# KiCad board nyx.kicad_pcb (continued)
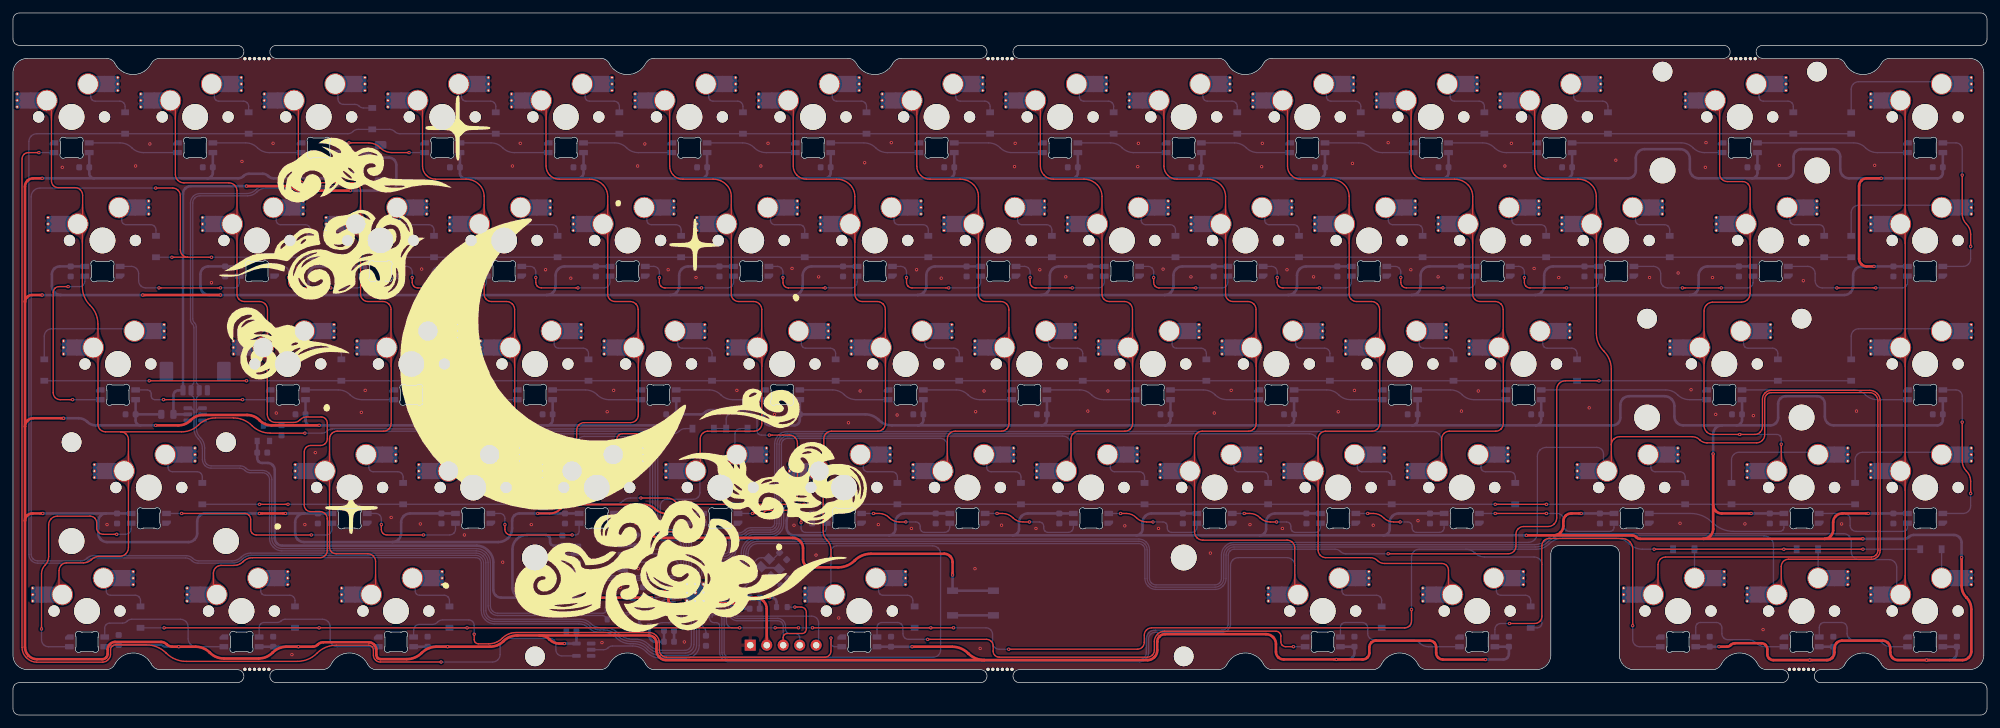
[diagram p0: board, top side]
## Routing (per net, layer and track width the routed paths; a pad name or vN(x,y) marks a point on that pad's centre or on a via; arc(x,y) is an arc through that point) (continued)
Net-(D50-A): length 9.2
  Bottom w0.2: D50.2 136.34,36.71 arc(136.28,37.01) 136.11,37.27 136.1,37.29 arc(135.84,37.46) 135.53,37.52 131.73,37.52 arc(131.48,37.57) 131.27,37.71 131.25,37.73 arc(131.11,37.94) 131.06,38.19 131.06,39.74 MX50.2
Net-(D51-A): length 9.2
  Bottom w0.2: MX51.2 150.11,39.74 150.11,38.19 arc(150.16,37.94) 150.3,37.73 150.32,37.71 arc(150.53,37.57) 150.78,37.52 154.58,37.52 arc(154.89,37.46) 155.15,37.29 155.16,37.27 arc(155.33,37.01) 155.39,36.71 D51.2
Net-(D52-A): length 9.2
  Bottom w0.2: D52.2 174.44,36.71 arc(174.38,37.01) 174.21,37.27 174.2,37.29 arc(173.94,37.46) 173.63,37.52 169.83,37.52 arc(169.58,37.57) 169.37,37.71 169.35,37.73 arc(169.21,37.94) 169.16,38.19 169.16,39.74 MX52.2
Net-(D53-A): length 9.2
  Bottom w0.2: D53.2 193.49,36.71 arc(193.43,37.01) 193.26,37.27 193.25,37.29 arc(192.99,37.46) 192.68,37.52 188.88,37.52 arc(188.63,37.57) 188.42,37.71 188.4,37.73 arc(188.26,37.94) 188.21,38.19 188.21,39.74 MX53.2
Net-(D54-A): length 9.2
  Bottom w0.2: D54.2 212.54,36.71 arc(212.48,37.01) 212.31,37.27 212.3,37.29 arc(212.04,37.46) 211.73,37.52 207.93,37.52 arc(207.68,37.57) 207.47,37.71 207.45,37.73 arc(207.31,37.94) 207.26,38.19 207.26,39.74 MX54.2
Net-(D55-A): length 9.2
  Bottom w0.2: D55.2 231.59,36.71 arc(231.53,37.01) 231.36,37.27 231.35,37.29 arc(231.09,37.46) 230.78,37.52 226.98,37.52 arc(226.73,37.57) 226.52,37.71 226.5,37.73 arc(226.36,37.94) 226.31,38.19 226.31,39.74 MX55.2
Net-(D56-A): length 9.2
  Bottom w0.2: MX56.2 252.51,39.74 252.51,38.19 arc(252.56,37.94) 252.7,37.73 252.72,37.71 arc(252.93,37.57) 253.18,37.52 256.97,37.52 arc(257.28,37.46) 257.54,37.29 257.55,37.27 arc(257.73,37.01) 257.79,36.71 D56.2
Net-(D57-A): length 17.7
  Bottom w0.2: MX57.2 277.92,40.52 266.09,40.52 arc(265.65,40.43) 265.28,40.19 265.27,40.18 arc(265.02,39.8) 264.93,39.36 D57.2
Net-(D58-A): length 17.7
  Bottom w0.2: MX58.2 296.97,40.52 285.14,40.52 arc(284.7,40.43) 284.33,40.19 284.32,40.18 arc(284.07,39.8) 283.98,39.36 D58.2
Net-(D59-A): length 9.2
  Bottom w0.2: MX59.2 14.38,20.69 14.38,19.14 arc(14.43,18.89) 14.57,18.68 14.59,18.66 arc(14.8,18.52) 15.05,18.47 18.85,18.47 arc(19.16,18.41) 19.42,18.24 19.43,18.22 arc(19.6,17.96) 19.66,17.66 D59.2
Net-(D60-A): length 9.2
  Bottom w0.2: D60.2 43.48,17.66 arc(43.42,17.96) 43.24,18.22 43.23,18.24 arc(42.97,18.41) 42.66,18.47 38.86,18.47 arc(38.61,18.52) 38.4,18.66 38.38,18.68 arc(38.24,18.89) 38.19,19.14 38.19,20.69 MX60.2
Net-(D61-A): length 9.2
  Bottom w0.2: MX61.2 62.01,20.69 62.01,19.14 arc(62.06,18.89) 62.2,18.68 62.22,18.66 arc(62.43,18.52) 62.68,18.47 66.47,18.47 arc(66.78,18.41) 67.04,18.24 67.05,18.22 arc(67.23,17.96) 67.29,17.66 D61.2
Net-(D62-A): length 9.2
  Bottom w0.2: MX62.2 133.44,20.69 133.44,19.14 arc(133.49,18.89) 133.63,18.68 133.65,18.66 arc(133.86,18.52) 134.11,18.47 137.91,18.47 arc(138.22,18.41) 138.48,18.24 138.49,18.22 arc(138.67,17.96) 138.73,17.66 138.73,16.75
Net-(D63-A): length 10
  Bottom w0.2: MX63.2 204.88,20.69 204.88,19.14 arc(204.93,18.89) 205.07,18.68 205.09,18.66 arc(205.3,18.52) 205.55,18.47 210.19,18.47 arc(210.49,18.41) 210.75,18.24 210.77,18.22 arc(210.94,17.96) 211,17.66 D63.2
Net-(D64-A): length 9.2
  Bottom w0.2: D64.2 233.98,17.66 arc(233.92,17.96) 233.74,18.22 233.73,18.24 arc(233.47,18.41) 233.16,18.47 229.36,18.47 arc(229.11,18.52) 228.9,18.66 228.88,18.68 arc(228.74,18.89) 228.69,19.14 228.69,20.69 MX64.2
Net-(D65-A): length 4.5
  Bottom w0.2: D65.2 MX65.2
Net-(D66-A): length 4.5
  Bottom w0.2: D66.2 MX66.2
Net-(D67-A): length 4.5
  Bottom w0.2: D67.2 MX67.2
Net-(LED1-DOUT): length 14
  Bottom w0.2: LED1.2 16.51,88.24 arc(17.48,88.04) 18.31,87.49 18.32,87.48 arc(19.15,86.93) 20.12,86.74 LED2.3
Net-(LED2-DOUT): length 14
  Bottom w0.2: LED3.3 39.49,86.74 arc(38.52,86.93) 37.69,87.48 37.68,87.49 arc(36.85,88.04) 35.88,88.24 LED2.2
Net-(LED3-DOUT): length 14
  Top w0.2: v1(51.8,88.24) 54.81,88.24 arc(55.78,88.04) 56.61,87.49 56.62,87.48 arc(57.45,86.93) 58.42,86.74 v1(61.07,86.74)
  Bottom w0.2: LED4.3 v1(61.07,86.74) ; LED3.2 v1(51.8,88.24)
Net-(LED4-DOUT): length 14
  Bottom w0.2: LED5.3 77.29,86.74 arc(76.32,86.93) 75.49,87.48 75.48,87.49 arc(74.65,88.04) 73.68,88.24 LED4.2
Net-(LED5-DOUT): length 14
  Bottom w0.2: LED5.2 92.78,88.24 arc(93.75,88.04) 94.58,87.49 94.59,87.48 arc(95.42,86.93) 96.39,86.74 LED6.3
Net-(LED6-DOUT): length 14
  Bottom w0.2: LED6.2 112.48,88.24 arc(113.45,88.04) 114.28,87.49 114.29,87.48 arc(115.12,86.93) 116.09,86.74 LED7.3
Net-(LED7-DOUT): length 14
  Bottom w0.2: LED8.3 134.79,86.74 arc(133.82,86.93) 132.99,87.48 132.98,87.49 arc(132.15,88.04) 131.18,88.24 LED7.2
Net-(LED8-DOUT): length 14
  Bottom w0.2: LED8.2 150.38,88.24 arc(151.35,88.04) 152.18,87.49 152.19,87.48 arc(153.02,86.93) 153.99,86.74 LED9.3
Net-(LED10-DIN): length 14
  Bottom w0.2: LED9.2 169.18,88.24 arc(170.15,88.04) 170.98,87.49 170.99,87.48 arc(171.82,86.93) 172.79,86.74 LED10.3
Net-(LED10-DOUT): length 14
  Bottom w0.2: LED11.3 191.92,86.74 arc(190.95,86.93) 190.12,87.48 190.11,87.49 arc(189.28,88.04) 188.31,88.24 LED10.2
Net-(LED11-DOUT): length 14
  Bottom w0.2: LED12.3 211.09,86.74 arc(210.12,86.93) 209.29,87.48 209.28,87.49 arc(208.45,88.04) 207.48,88.24 LED11.2
Net-(LED12-DOUT): length 14
  Bottom w0.2: LED12.2 226.58,88.24 arc(227.55,88.04) 228.38,87.49 228.39,87.48 arc(229.22,86.93) 230.19,86.74 LED13.3
Net-(LED13-DOUT): length 23.5
  Bottom w0.2: LED14.3 260.8,86.74 arc(259.82,86.93) 259,87.48 258.99,87.49 arc(258.16,88.04) 257.19,88.24 LED13.2
Net-(LED14-DOUT): length 23.5
  Bottom w0.2: LED15.3 287.39,86.74 arc(286.42,86.93) 285.59,87.48 285.58,87.49 arc(284.75,88.04) 283.78,88.24 LED14.2
Net-(LED15-DOUT): length 25.8
  Top w0.2: v1(301.8,72.27) 301.8,74.16 arc(301.63,75) 301.16,75.72 301.14,75.73 arc(300.67,76.44) 300.5,77.28 v1(300.5,83.27)
  Bottom w0.2: v1(301.8,72.27) 301.8,70.35 arc(301.71,69.91) 301.46,69.54 301.45,69.52 arc(301.08,69.28) 300.64,69.19 LED16.3 ; v1(300.5,83.27) 300.5,87.28 arc(300.43,87.64) 300.22,87.95 300.21,87.96 arc(299.9,88.17) 299.54,88.24 LED15.2
Net-(LED16-DOUT): length 22.2
  Top w0.2: v1(287.18,65.87) v1(281.18,65.87)
  Bottom w0.2: v1(287.18,65.87) 291.24,65.87 arc(291.55,65.93) 291.81,66.11 291.83,66.12 arc(292,66.38) 292.06,66.69 LED16.2 ; LED17.3 276.7,69.19 arc(277.13,69.1) 277.48,68.87 277.5,68.84 arc(277.74,68.49) 277.83,68.07 277.83,66.98 arc(277.91,66.56) 278.15,66.2 278.15,66.19 arc(278.51,65.96) 278.93,65.87 v1(281.18,65.87)
Net-(LED17-DOUT): length 22.2
  Top w0.2: v1(263.36,65.87) v1(257.36,65.87)
  Bottom w0.2: v1(263.36,65.87) 267.43,65.87 arc(267.74,65.93) 268,66.11 268.01,66.12 arc(268.19,66.38) 268.25,66.69 LED17.2 ; LED18.3 252.89,69.19 arc(253.31,69.1) 253.67,68.87 253.69,68.84 arc(253.93,68.49) 254.01,68.07 254.01,66.98 arc(254.1,66.56) 254.33,66.2 254.34,66.19 arc(254.7,65.96) 255.12,65.87 v1(257.36,65.87)
Net-(LED18-DOUT): length 17.6
  Top w0.2: v1(233,67.47) 233,66.72 arc(233.06,66.4) 233.25,66.12 233.25,66.12 arc(233.53,65.94) 233.85,65.87 v1(239.5,65.87)
  Bottom w0.2: v1(233,67.47) 233,68.32 arc(232.94,68.65) 232.75,68.92 232.73,68.94 arc(232.46,69.12) 232.13,69.19 LED19.3 ; LED18.2 244.43,66.78 arc(244.37,66.44) 244.17,66.14 244.16,66.14 arc(243.87,65.94) 243.53,65.87 v1(239.5,65.87)
Net-(LED19-DOUT): length 17.6
  Top w0.2: v1(220.45,65.87) 214.8,65.87 arc(214.48,65.94) 214.2,66.12 214.2,66.12 arc(214.01,66.4) 213.95,66.72 v1(213.95,67.47)
  Bottom w0.2: v1(220.45,65.87) 224.48,65.87 arc(224.82,65.94) 225.11,66.14 225.12,66.14 arc(225.32,66.44) 225.38,66.78 LED19.2 ; v1(213.95,67.47) 213.95,68.32 arc(213.89,68.65) 213.7,68.92 213.68,68.94 arc(213.41,69.12) 213.08,69.19 LED20.3
Net-(LED20-DOUT): length 17.6
  Top w0.2: v1(194.9,67.47) 194.9,66.72 arc(194.96,66.4) 195.15,66.12 195.15,66.12 arc(195.43,65.94) 195.75,65.87 v1(201.4,65.87)
  Bottom w0.2: v1(201.4,65.87) 205.43,65.87 arc(205.77,65.94) 206.06,66.14 206.07,66.14 arc(206.27,66.44) 206.33,66.78 LED20.2 ; LED21.3 194.03,69.19 arc(194.36,69.12) 194.63,68.94 194.65,68.92 arc(194.84,68.65) 194.9,68.32 v1(194.9,67.47)
Net-(LED21-DOUT): length 17.6
  Top w0.2: v1(182.35,65.87) 176.7,65.87 arc(176.38,65.94) 176.1,66.12 176.1,66.12 arc(175.91,66.4) 175.85,66.72 v1(175.85,67.47)
  Bottom w0.2: LED21.2 187.28,66.78 arc(187.22,66.44) 187.02,66.14 187.01,66.14 arc(186.72,65.94) 186.38,65.87 v1(182.35,65.87) ; v1(175.85,67.47) 175.85,68.32 arc(175.79,68.65) 175.6,68.92 175.58,68.94 arc(175.31,69.12) 174.98,69.19 LED22.3
Net-(LED22-DOUT): length 17.6
  Top w0.2: v1(163.3,65.87) 157.65,65.87 arc(157.33,65.94) 157.05,66.12 157.05,66.12 arc(156.86,66.4) 156.8,66.72 v1(156.8,67.47)
  Bottom w0.2: LED23.3 155.93,69.19 arc(156.26,69.12) 156.53,68.94 156.55,68.92 arc(156.74,68.65) 156.8,68.32 v1(156.8,67.47) ; v1(163.3,65.87) 167.33,65.87 arc(167.67,65.94) 167.96,66.14 167.97,66.14 arc(168.17,66.44) 168.23,66.78 LED22.2
Net-(LED23-DOUT): length 17.6
  Top w0.2: v1(144.25,65.87) 138.6,65.87 arc(138.28,65.94) 138,66.12 138,66.12 arc(137.81,66.4) 137.75,66.72 v1(137.75,67.47)
  Bottom w0.2: v1(137.75,67.47) 137.75,68.32 arc(137.69,68.65) 137.5,68.92 137.48,68.94 arc(137.21,69.12) 136.88,69.19 LED24.3 ; LED23.2 149.18,66.78 arc(149.12,66.44) 148.92,66.14 148.91,66.14 arc(148.62,65.94) 148.28,65.87 v1(144.25,65.87)
Net-(LED24-DOUT): length 17.6
  Top w0.2: v1(118.7,67.47) 118.7,66.72 arc(118.76,66.4) 118.95,66.12 118.95,66.12 arc(119.23,65.94) 119.55,65.87 v1(125.2,65.87)
  Bottom w0.2: LED25.3 117.83,69.19 arc(118.16,69.12) 118.43,68.94 118.45,68.92 arc(118.64,68.65) 118.7,68.32 v1(118.7,67.47) ; LED24.2 130.13,66.78 arc(130.07,66.44) 129.87,66.14 129.86,66.14 arc(129.57,65.94) 129.23,65.87 v1(125.2,65.87)
Net-(LED25-DOUT): length 17.6
  Top w0.2: v1(99.65,67.47) 99.65,66.72 arc(99.71,66.4) 99.9,66.12 99.9,66.12 arc(100.18,65.94) 100.5,65.87 v1(106.15,65.87)
  Bottom w0.2: LED25.2 111.08,66.78 arc(111.02,66.44) 110.82,66.14 110.81,66.14 arc(110.52,65.94) 110.18,65.87 v1(106.15,65.87) ; LED26.3 98.78,69.19 arc(99.11,69.12) 99.38,68.94 99.4,68.92 arc(99.59,68.65) 99.65,68.32 v1(99.65,67.47)
Net-(LED26-DOUT): length 17.6
  Top w0.2: v1(87.1,65.87) 81.45,65.87 arc(81.13,65.94) 80.85,66.12 80.85,66.12 arc(80.66,66.4) 80.6,66.72 v1(80.6,67.47)
  Bottom w0.2: v1(87.1,65.87) 91.13,65.87 arc(91.47,65.94) 91.76,66.14 91.77,66.14 arc(91.97,66.44) 92.03,66.78 LED26.2 ; v1(80.6,67.47) 80.6,68.32 arc(80.54,68.65) 80.35,68.92 80.33,68.94 arc(80.06,69.12) 79.73,69.19 LED27.3
Net-(LED27-DOUT): length 17.6
  Top w0.2: v1(61.55,67.47) 61.55,66.72 arc(61.61,66.4) 61.8,66.12 61.8,66.12 arc(62.08,65.94) 62.4,65.87 v1(68.05,65.87)
  Bottom w0.2: v1(61.55,67.47) 61.55,68.32 arc(61.49,68.65) 61.3,68.92 61.28,68.94 arc(61.01,69.12) 60.68,69.19 LED28.3 ; v1(68.05,65.87) 72.08,65.87 arc(72.42,65.94) 72.71,66.14 72.72,66.14 arc(72.92,66.44) 72.98,66.78 LED27.2
Net-(LED28-DOUT): length 17.6
  Top w0.2: v1(49,65.87) 43.35,65.87 arc(43.03,65.94) 42.75,66.12 42.75,66.12 arc(42.56,66.4) 42.5,66.72 v1(42.5,67.47)
  Bottom w0.2: LED29.3 41.63,69.19 arc(41.96,69.12) 42.23,68.94 42.25,68.92 arc(42.44,68.65) 42.5,68.32 v1(42.5,67.47) ; LED28.2 53.93,66.78 arc(53.87,66.44) 53.67,66.14 53.66,66.14 arc(53.37,65.94) 53.03,65.87 v1(49,65.87)
Net-(LED29-DOUT): length 22.2
  Top w0.2: v1(22.5,65.87) v1(32,65.87)
  Bottom w0.2: LED29.2 34.88,66.69 arc(34.82,66.38) 34.65,66.12 34.63,66.11 arc(34.37,65.93) 34.07,65.87 v1(32,65.87) ; LED30.3 18.25,69.19 arc(18.67,69.1) 19.03,68.87 19.05,68.84 arc(19.29,68.49) 19.37,68.07 19.37,66.98 arc(19.45,66.56) 19.69,66.2 19.7,66.19 arc(20.06,65.96) 20.48,65.87 v1(22.5,65.87)
Net-(LED30-DOUT): length 30
  Top w0.2: v1(9.2,48.64) 7.27,48.64 arc(6.87,48.72) 6.53,48.95 6.51,48.96 arc(6.28,49.31) 6.2,49.71 6.2,65.17 arc(6.27,65.52) 6.46,65.81 arc(6.76,66) 7.1,66.07 v1(8.5,66.07)
  Bottom w0.2: LED31.3 v1(9.2,48.64) ; v1(8.5,66.07) 10.27,66.07 arc(10.57,66.13) 10.83,66.31 10.84,66.31 arc(11.01,66.57) 11.07,66.88 LED30.2
Net-(LED31-DOUT): length 21.7
  Top w0.2: v1(35.4,48.64) v1(23.2,48.64)
  Bottom w0.2: v1(23.2,48.64) 21.88,48.64 arc(21.67,48.68) 21.49,48.8 21.47,48.81 arc(21.36,48.99) 21.31,49.2 21.31,49.52 arc(21.27,49.75) 21.14,49.95 21.12,49.96 arc(20.93,50.09) 20.7,50.14 LED31.2 ; LED32.3 v1(35.4,48.64)
Net-(LED32-DOUT): length 14
  Bottom w0.2: LED32.2 50.17,50.14 arc(51.14,49.94) 51.97,49.39 51.98,49.38 arc(52.8,48.83) 53.78,48.64 LED33.3
Net-(LED33-DOUT): length 14
  Bottom w0.2: LED33.2 69.22,50.14 arc(70.19,49.94) 71.02,49.39 71.03,49.38 arc(71.85,48.83) 72.83,48.64 LED34.3
Net-(LED34-DOUT): length 14
  Bottom w0.2: LED34.2 88.27,50.14 arc(89.24,49.94) 90.07,49.39 90.08,49.38 arc(90.9,48.83) 91.88,48.64 LED35.3
Net-(LED35-DOUT): length 14
  Bottom w0.2: LED36.3 110.93,48.64 arc(109.95,48.83) 109.13,49.38 109.12,49.39 arc(108.29,49.94) 107.32,50.14 LED35.2
Net-(LED36-DOUT): length 14
  Bottom w0.2: LED36.2 126.37,50.14 arc(127.34,49.94) 128.17,49.39 128.18,49.38 arc(129,48.83) 129.98,48.64 LED37.3
Net-(LED37-DOUT): length 14
  Bottom w0.2: LED38.3 149.03,48.64 arc(148.05,48.83) 147.23,49.38 147.22,49.39 arc(146.39,49.94) 145.42,50.14 LED37.2
Net-(LED38-DOUT): length 14
  Bottom w0.2: LED38.2 164.47,50.14 arc(165.44,49.94) 166.27,49.39 166.28,49.38 arc(167.1,48.83) 168.08,48.64 LED39.3
Net-(LED39-DOUT): length 14
  Bottom w0.2: LED40.3 187.13,48.64 arc(186.15,48.83) 185.33,49.38 185.32,49.39 arc(184.49,49.94) 183.52,50.14 LED39.2
Net-(LED40-DOUT): length 14
  Bottom w0.2: LED41.3 206.18,48.64 arc(205.2,48.83) 204.38,49.38 204.37,49.39 arc(203.54,49.94) 202.57,50.14 LED40.2
Net-(LED41-DOUT): length 14
  Bottom w0.2: LED41.2 221.62,50.14 arc(222.59,49.94) 223.42,49.39 223.43,49.38 arc(224.25,48.83) 225.23,48.64 LED42.3
Net-(LED42-DOUT): length 25.9
  Bottom w0.2: LED42.2 254.81,50.14 arc(255.78,49.94) 256.61,49.39 256.62,49.38 arc(257.44,48.83) 258.42,48.64 LED43.3
Net-(LED43-DOUT): length 25.9
  Bottom w0.2: LED43.2 283.78,50.14 arc(284.75,49.94) 285.58,49.39 285.59,49.38 arc(286.42,48.83) 287.39,48.64 LED44.3
Net-(LED44-DOUT): length 25.8
  Top w0.2: v1(300.5,45.17) 300.5,39.18 arc(300.67,38.34) 301.14,37.63 301.16,37.62 arc(301.63,36.9) 301.8,36.06 v1(301.8,34.17)
  Bottom w0.2: LED45.3 300.64,31.09 arc(301.08,31.18) 301.45,31.42 301.46,31.44 arc(301.71,31.81) 301.8,32.25 v1(301.8,34.17) ; LED44.2 299.54,50.14 arc(299.9,50.07) 300.21,49.86 300.22,49.85 arc(300.43,49.54) 300.5,49.18 v1(300.5,45.17)
Net-(LED45-DOUT): length 16.6
  Bottom w0.2: LED46.3 282.35,31.09 arc(282.67,31.02) 282.95,30.84 282.97,30.82 arc(283.15,30.55) 283.22,30.22 283.22,29.25 arc(283.28,28.9) 283.48,28.61 283.5,28.58 arc(283.79,28.39) 284.14,28.32 291.45,28.32 arc(291.68,28.37) 291.87,28.5 291.88,28.51 arc(292.01,28.7) 292.06,28.93 LED45.2
Net-(LED46-DOUT): length 22.5
  Bottom w0.2: LED47.3 258.64,31.09 arc(260.43,30.73) 261.96,29.71 261.97,29.7 arc(263.5,28.68) 265.3,28.32 272.4,28.32 arc(272.63,28.37) 272.82,28.5 272.83,28.51 arc(272.96,28.7) 273.01,28.93 LED46.2
Net-(LED47-DOUT): length 23.7
  Top w0.2: v1(228.5,31.09) v1(236.4,31.09)
  Bottom w0.2: v1(236.4,31.09) 238.05,31.09 arc(238.43,31.01) 238.75,30.79 238.76,30.79 arc(238.97,30.47) 239.05,30.09 239.05,29.25 arc(239.12,28.9) 239.31,28.61 239.34,28.58 arc(239.63,28.39) 239.97,28.32 246.21,28.32 arc(246.44,28.37) 246.63,28.5 246.64,28.51 arc(246.77,28.7) 246.82,28.93 LED47.2 ; LED48.3 v1(228.5,31.09)
Net-(LED48-DOUT): length 16.1
  Top w0.2: v1(213.85,29.77) 212.86,29.77 arc(212.02,29.94) 211.31,30.42 211.28,30.44 arc(210.57,30.92) 209.72,31.09 v1(208.85,31.09)
  Bottom w0.2: LED49.3 v1(208.85,31.09) ; v1(213.85,29.77) 215.03,29.77 arc(215.28,29.72) 215.49,29.58 215.51,29.56 arc(215.65,29.35) 215.7,29.1 215.7,28.84 arc(215.75,28.59) 215.89,28.38 215.92,28.35 arc(216.13,28.21) 216.38,28.16 219.9,28.16 arc(220.17,28.22) 220.4,28.37 220.42,28.39 arc(220.57,28.62) 220.62,28.88 LED48.2
Net-(LED49-DOUT): length 16.1
  Top w0.2: v1(189.8,31.09) 190.67,31.09 arc(191.52,30.92) 192.23,30.44 192.26,30.42 arc(192.97,29.94) 193.81,29.77 v1(194.8,29.77)
  Bottom w0.2: v1(194.8,29.77) 196.33,29.77 arc(196.58,29.72) 196.79,29.58 196.81,29.56 arc(196.95,29.35) 197,29.1 197,28.84 arc(197.05,28.59) 197.19,28.38 197.22,28.35 arc(197.43,28.21) 197.68,28.16 200.76,28.16 arc(201.07,28.22) 201.32,28.4 201.34,28.41 arc(201.51,28.67) 201.57,28.98 LED49.2 ; LED50.3 v1(189.8,31.09)
Net-(LED50-DOUT): length 16.1
  Top w0.2: v1(175.75,29.77) 174.76,29.77 arc(173.92,29.94) 173.21,30.42 173.18,30.44 arc(172.47,30.92) 171.62,31.09 v1(170.75,31.09)
  Bottom w0.2: v1(175.75,29.77) 177.28,29.77 arc(177.53,29.72) 177.74,29.58 177.76,29.56 arc(177.9,29.35) 177.95,29.1 177.95,28.84 arc(178,28.59) 178.14,28.38 178.17,28.35 arc(178.38,28.21) 178.63,28.16 181.71,28.16 arc(182.02,28.22) 182.27,28.4 182.29,28.41 arc(182.46,28.67) 182.52,28.98 LED50.2 ; LED51.3 v1(170.75,31.09)
Net-(LED51-DOUT): length 16.1
  Top w0.2: v1(151.7,31.09) 152.57,31.09 arc(153.42,30.92) 154.13,30.44 154.16,30.42 arc(154.87,29.94) 155.71,29.77 v1(156.7,29.77)
  Bottom w0.2: v1(156.7,29.77) 158.23,29.77 arc(158.48,29.72) 158.69,29.58 158.71,29.56 arc(158.85,29.35) 158.9,29.1 158.9,28.84 arc(158.95,28.59) 159.09,28.38 159.12,28.35 arc(159.33,28.21) 159.58,28.16 162.66,28.16 arc(162.97,28.22) 163.22,28.4 163.24,28.41 arc(163.41,28.67) 163.47,28.98 LED51.2 ; LED52.3 v1(151.7,31.09)
Net-(LED52-DOUT): length 16.1
  Top w0.2: v1(132.65,31.09) 133.52,31.09 arc(134.37,30.92) 135.08,30.44 135.11,30.42 arc(135.82,29.94) 136.66,29.77 v1(137.65,29.77)
  Bottom w0.2: v1(137.65,29.77) 139.18,29.77 arc(139.43,29.72) 139.64,29.58 139.66,29.56 arc(139.8,29.35) 139.85,29.1 139.85,28.84 arc(139.9,28.59) 140.04,28.38 140.07,28.35 arc(140.28,28.21) 140.53,28.16 143.61,28.16 arc(143.92,28.22) 144.17,28.4 144.19,28.41 arc(144.36,28.67) 144.42,28.98 LED52.2 ; LED53.3 v1(132.65,31.09)
Net-(LED53-DOUT): length 17.6
  Top w0.2: v1(114,31.09) 115.28,31.09 arc(115.59,31.15) 115.85,31.32 115.87,31.34 arc(116.13,31.51) 116.43,31.57 120.49,31.57 arc(120.87,31.5) 121.19,31.28 121.2,31.27 arc(121.41,30.95) 121.49,30.57 v1(121.49,29.67)
  Bottom w0.2: v1(121.49,29.67) 121.49,28.84 arc(121.54,28.59) 121.68,28.38 121.71,28.35 arc(121.92,28.21) 122.17,28.16 124.74,28.16 arc(124.97,28.21) 125.17,28.34 125.2,28.37 arc(125.33,28.56) 125.37,28.79 LED53.2 ; LED54.3 v1(114,31.09)
Net-(LED54-DOUT): length 16.6
  Top w0.2: v1(105,28.27) 99.51,28.27 arc(99.13,28.35) 98.81,28.57 98.79,28.58 arc(98.58,28.9) 98.5,29.29 98.5,30.04 arc(98.42,30.44) 98.19,30.78 arc(97.85,31.01) 97.45,31.09 v1(96,31.09)
  Bottom w0.2: LED54.2 106.32,28.82 arc(106.28,28.61) 106.16,28.43 arc(105.98,28.31) 105.77,28.27 v1(105,28.27) ; LED55.3 v1(96,31.09)
Net-(LED55-DOUT): length 17.8
  Top w0.2: v1(86.2,27.77) 76.69,27.77 arc(76.36,27.84) 76.09,28.02 76.09,28.02 arc(75.9,28.3) 75.84,28.62 v1(75.84,29.37)
  Bottom w0.2: LED56.3 75.07,31.09 arc(75.36,31.03) 75.6,30.87 75.62,30.85 arc(75.78,30.61) 75.84,30.32 v1(75.84,29.37) ; v1(86.2,27.77) 86.74,27.77 arc(86.93,27.81) 87.1,27.92 87.13,27.95 arc(87.23,28.11) 87.27,28.3 LED55.2
Net-(LED56-DOUT): length 17.6
  Top w0.2: v1(63.29,27.77) 57.64,27.77 arc(57.31,27.84) 57.04,28.02 57.04,28.02 arc(56.85,28.3) 56.79,28.62 v1(56.79,29.37)
  Bottom w0.2: v1(56.79,29.37) 56.79,30.22 arc(56.72,30.55) 56.54,30.82 56.52,30.84 arc(56.25,31.02) 55.92,31.09 LED57.3 ; LED56.2 68.22,28.68 arc(68.15,28.34) 67.96,28.04 67.95,28.04 arc(67.66,27.84) 67.31,27.77 v1(63.29,27.77)
Net-(LED57-DOUT): length 29.5
  Top w0.2: v1(26,31.09) 35.72,31.09 arc(36.07,31.02) 36.36,30.82 36.38,30.8 arc(36.58,30.51) 36.65,30.16 36.65,28.62 arc(36.71,28.3) 36.9,28.02 36.9,28.02 arc(37.17,27.84) 37.5,27.77 v1(46,27.77)
  Bottom w0.2: v1(46,27.77) 48.26,27.77 arc(48.61,27.84) 48.9,28.04 48.91,28.04 arc(49.1,28.34) 49.17,28.68 LED57.2 ; LED58.3 v1(26,31.09)
Net-(LED58-DOUT): length 39.7
  Top w0.2: v1(16,27.87) 13.91,27.87 arc(13.53,27.95) 13.21,28.17 13.19,28.18 arc(12.98,28.5) 12.9,28.89 12.9,29.66 arc(12.82,30.04) 12.61,30.37 12.59,30.38 arc(12.27,30.6) 11.89,30.67 6.86,30.67 arc(6.34,30.57) 5.9,30.28 5.9,30.27 arc(5.6,29.83) 5.5,29.31 5.5,24.44 arc(5.36,23.73) 4.96,23.13 4.94,23.11 arc(4.54,22.51) 4.4,21.81 v1(4.4,13.27)
  Bottom w0.2: v1(4.4,13.27) 4.4,11.61 arc(4.48,11.21) 4.71,10.86 4.73,10.85 arc(5.07,10.62) 5.47,10.54 LED59.3 ; LED58.2 18.22,28.74 arc(18.15,28.42) 17.97,28.14 17.95,28.12 arc(17.67,27.94) 17.35,27.87 v1(16,27.87)
Net-(LED59-DOUT): length 23.5
  Bottom w0.2: LED60.3 28.23,10.54 arc(27.77,10.63) 27.38,10.89 27.35,10.92 arc(27.09,11.31) 27,11.77 27,13.6 arc(26.91,14.04) 26.66,14.41 26.64,14.44 arc(26.26,14.68) 25.82,14.77 18.31,14.77 arc(17.93,14.7) 17.61,14.48 17.59,14.47 arc(17.27,14.25) 16.89,14.17 14.91,14.17 arc(14.62,14.12) 14.38,13.95 14.36,13.93 arc(14.2,13.69) 14.14,13.4 LED59.2
Net-(LED60-DOUT): length 23.7
  Bottom w0.2: LED61.3 49.97,10.54 arc(49.57,10.62) 49.23,10.85 49.21,10.86 arc(48.98,11.21) 48.9,11.61 48.9,13.6 arc(48.81,14.04) 48.56,14.41 48.54,14.44 arc(48.16,14.68) 47.72,14.77 41.95,14.77 arc(41.63,14.71) 41.35,14.52 41.35,14.52 arc(41.07,14.34) 40.75,14.27 38.71,14.27 arc(38.42,14.22) 38.18,14.05 38.17,14.05 arc(38.01,13.8) 37.95,13.52 LED60.2
Net-(LED61-DOUT): length 77.5
  Top w0.2: v1(126.1,11.87) 126.1,9.85 arc(126.03,9.5) 125.84,9.21 125.81,9.19 arc(125.52,8.99) 125.18,8.92 100.72,8.92 arc(100.32,9) 99.98,9.23 99.96,9.25 arc(99.73,9.59) 99.65,9.99 99.65,11.16 arc(99.54,11.71) 99.22,12.18 99.11,12.3 arc(98.64,12.61) 98.09,12.72 77.54,12.72 arc(76.41,12.5) 75.45,11.86 75.44,11.85 arc(74.49,11.21) 73.36,10.99 71.75,10.99 arc(71.51,11.04) 71.29,11.18 71.29,11.18 arc(71.15,11.39) 71.1,11.64 v1(71.1,12.47)
  Bottom w0.2: v1(71.1,12.47) 71.1,13.82 arc(71.04,14.15) 70.85,14.42 70.85,14.42 arc(70.57,14.61) 70.25,14.67 66.28,14.67 arc(65.84,14.58) 65.46,14.34 65.44,14.31 arc(65.06,14.06) 64.62,13.97 62.67,13.97 arc(62.33,13.9) 62.04,13.71 62.03,13.7 arc(61.83,13.41) 61.77,13.07 LED61.2 ; v1(126.1,11.87) 126.1,11.1 arc(126.14,10.89) 126.26,10.71 126.27,10.7 arc(126.45,10.58) 126.66,10.54 LED62.3
Net-(LED62-DOUT): length 76.3
  Top w0.2: v1(197.4,10.54) 196.19,10.54 arc(195.92,10.59) 195.69,10.74 195.67,10.77 arc(195.52,10.99) 195.47,11.26 195.47,12.16 arc(195.41,12.45) 195.25,12.69 195.24,12.7 arc(194.99,12.86) 194.7,12.92 177.51,12.92 arc(176.96,12.81) 176.49,12.5 176.38,12.38 arc(176.06,11.91) 175.95,11.36 175.95,9.99 arc(175.87,9.59) 175.64,9.25 175.62,9.23 arc(175.28,9) 174.88,8.92 152.02,8.92 arc(151.68,8.99) 151.39,9.19 151.36,9.21 arc(151.17,9.5) 151.1,9.85 151.1,10.66 arc(151.02,11.04) 150.81,11.37 150.79,11.38 arc(150.47,11.6) 150.09,11.67 v1(141,11.67)
  Bottom w0.2: LED63.3 v1(197.4,10.54) ; v1(141,11.67) 138.05,11.67 arc(137.73,11.74) 137.45,11.92 137.45,11.92 arc(137.26,12.2) 137.2,12.52 137.2,13.42 arc(137.14,13.75) 136.95,14.02 136.95,14.02 arc(136.67,14.21) 136.35,14.27 133.96,14.27 arc(133.67,14.22) 133.43,14.05 133.42,14.05 arc(133.26,13.8) 133.2,13.52 LED62.2
Net-(LED63-DOUT): length 22.4
  Bottom w0.2: LED63.2 204.64,13.52 arc(204.7,13.8) 204.86,14.05 204.87,14.05 arc(205.11,14.22) 205.4,14.27 208,14.27 arc(208.32,14.21) 208.6,14.02 208.6,14.02 arc(208.79,13.75) 208.85,13.42 208.85,12.55 arc(208.92,12.2) 209.11,11.91 209.14,11.89 arc(209.43,11.69) 209.77,11.62 215.58,11.62 arc(216.29,11.48) 216.89,11.08 arc(217.49,10.68) 218.2,10.54 LED64.3
Net-(LED64-DOUT): length 54.9
  Top w0.2: v1(230.7,14.12) 234.59,14.12 arc(235.01,14.2) 235.37,14.44 235.38,14.45 arc(235.62,14.81) 235.7,15.23 235.7,26.12 arc(235.78,26.54) 236.02,26.89 236.03,26.9 arc(236.38,27.14) 236.81,27.22 248.09,27.22 arc(248.7,27.1) 249.22,26.75 249.23,26.74 arc(249.58,26.22) 249.7,25.61 v1(249.7,13.77)